# Altium PCB STM32H7.PcbDoc (continued)
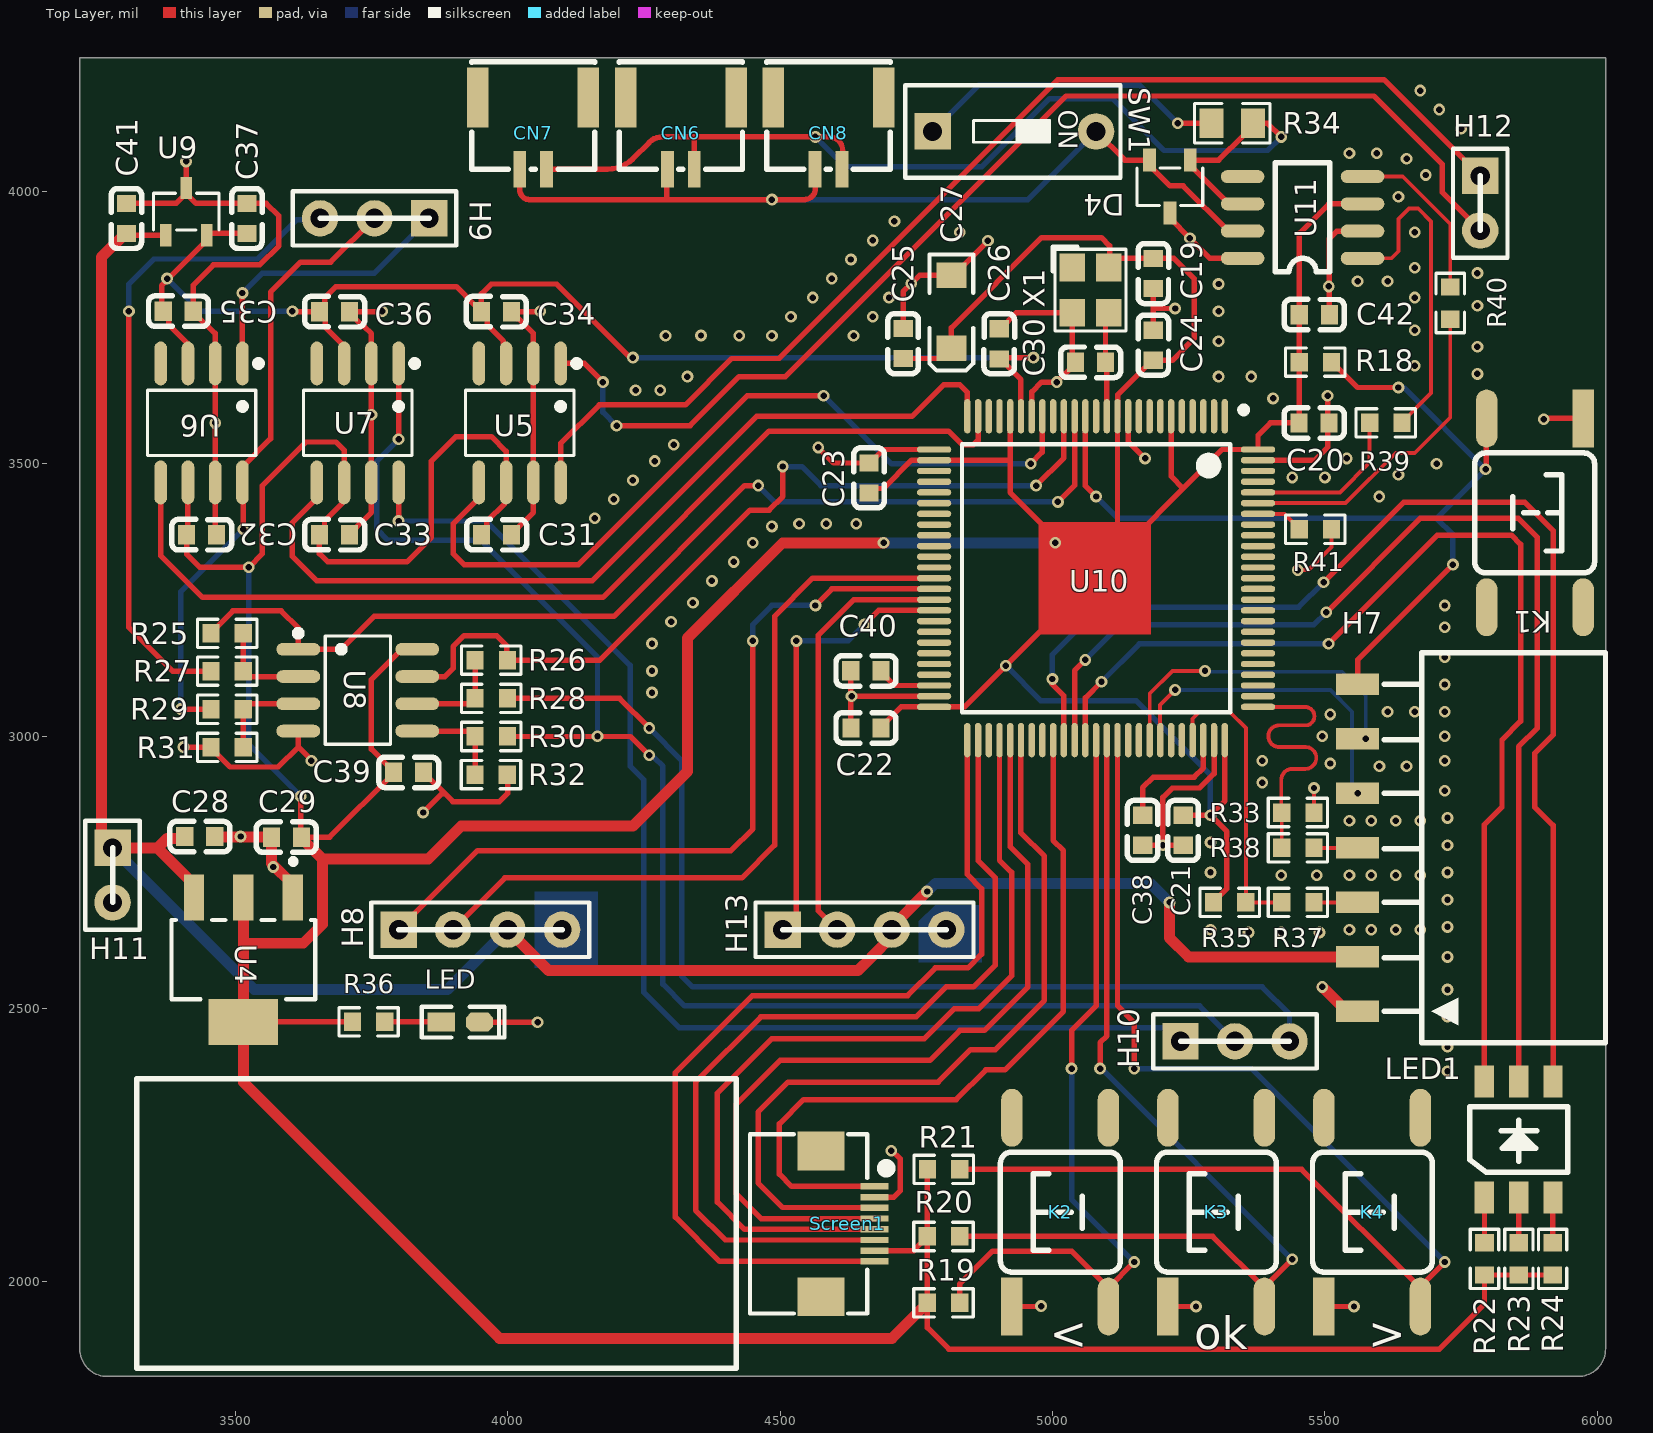
[diagram p0: Top Layer view]
## Part data (continued)
U5 U6 U7: "低噪声低温漂双向电流高端检测芯片", Common Mode Voltage=6V~80V, JLCPCB Part Class="Extended Part", LCSC Part Name=线性产品, Manufacturer=analogysemi(类比半导体), Operating Temperature=-40℃~125℃, Supply Voltage=2.7V~5.5V, Add into BOM=yes, Convert to PCB=yes, Datasheet=https://atta.szlcsc.com/upload/public/pdf/source/20230221/4ACBE0500A397B3D4468D76F97F173B7.pdf, Device=CSA240LCSOIC8, Gain=20V/V, Manufacturer Part=CSA240LCSOIC8, Name=CSA240LCSOIC8, Number of Channels=1, Supplier=LCSC, Supplier Footprint=SOIC-8, Supplier Part=C5359411, Symbol=CSA240LCSOIC8
U8: "1.5MHZ, 轨到轨高精双通道运放", JLCPCB Part Class="Extended Part", Manufacturer=Gainsil(聚洵), Operating Temperature=-40℃~+125℃, Supply Current=180uA, Supply Voltage=1.8V~5.5V, Add into BOM=yes, Convert to PCB=yes, Datasheet=https://atta.szlcsc.com/upload/public/pdf/source/20200615/C605420_EE0E567F8FF01D919583B114644E1CC3.pdf, Device=GS8552-SR, Gain Bandwidth Product(GBP)=1.8MHz, LCSC Part Name=GS8552-SR, Manufacturer Part=GS8552-SR, Name=GS8552-SR, Number of Circuits=双路, Slew Rate(SR)=0.95V/us, Supplier=LCSC, Supplier Footprint=SOIC-8, Supplier Part=C157716, Symbol=GS8552-SR
U9: "3.3V基准电压源", Input Voltage=3.35V~5.5V, JLCPCB Part Class="Extended Part", Manufacturer=TI(德州仪器), Operating Temperature=-40℃~+125℃@(Ta), Output Current=25mA, Output Voltage=3.3V, Supply Current=50uA, Temperature Coefficient=75ppm/℃, Tolerance=±0.2%, Add into BOM=yes, Convert to PCB=yes, Datasheet=https://www.ti.com/cn/lit/gpn/ref3020, Device=REF3033AIDBZR, LCSC Part Name=REF3033AIDBZR, Manufacturer Part=REF3033AIDBZR, Name=REF3033AIDBZR, Noise - 10Hz to 10kHz=105uVrms, Output Type=固定, Reference Type=串联, Supplier=LCSC, Supplier Footprint=SOT-23, Supplier Part=C36658, Symbol=REF3033AIDBZR
U10: "STM32H7", JLCPCB Part Class="Extended Part", LCSC Part Name=480MHz, Low-Voltage Detect=有, Manufacturer=ST(意法半导体), Operating Temperature Range=-40℃~+85℃, Operating Voltage Range=1.71V~3.6V, ADC (Bit)=16bit, Add into BOM=yes, Convert to PCB=yes, CPU Maximum Speed=480MHz, DAC (Bit)=12bit, Datasheet=https://atta.szlcsc.com/upload/public/pdf/source/20200508/C529058_DA70143F266D6D825C3A912656F12A87.pdf, Device=STM32H743VIT6_C114409, Direct Memory Access=有, GPIO Ports Number=82, Infrared Data Association=有, Internal Oscillator=有, LCD Module=有, Manufacturer Part=STM32H743VIT6, Name=STM32H743VIT6, Program Storage Size=2MB, Secure Digital Input and Output=有, Supplier=LCSC, Supplier Footprint=LQFP-100(14x14), Supplier Part=C114409, Symbol=STM32H743VIT6_C114409, Universal Serial Bus=有, Watchdog=有
U11: "常用CAN收发器", BOM_JLCPCB Part Class="Basic Part", BOM_Manufacturer=TI, BOM_Manufacturer Part=SN65HVD230DR, BOM_Supplier=LCSC, BOM_Supplier Part=C12084, spicePre=U, spiceSymbolName=SN65HVD230DR
X1: library part OSC-3225, BOM_JLCPCB Part Class="Extended Part", BOM_Manufacturer=TAE(雅晶鑫), BOM_Manufacturer Part=TFOM8M4RHKCNT2T, BOM_Supplier=LCSC, BOM_Supplier Part=C454610, Contributor=LCSC, spicePre=X, spiceSymbolName=TFOM8M4RHKCNT2T

## Via types
v1: diameter 21.65, hole 11.81, Top Layer to Bottom Layer, 199 vias

## Nets (pads, with @x,y where several pads share a name; then routed paths per layer and width w, separated by ;. In a path a pad name is that pad's centre, name@x,y a point inside that pad or via, vN(x,y) a via of type N, cw(c..) or ccw(c..) an arc to the next point about the centre after c; other vN are vias at no path point)
+3V3: C19.2 C20.2 C21.2 C22.2 C23.2 C24.2 C25.1 C27.1 C29.2 C31.2 C32.2 C33.2 C39.2 C42.1 R18.2 R19.2 R20.2 R21.2 R22.2 R23.2 R24.2 R35.2 R36.1 Screen1.7 U4.2 U4.4 U5.6 U6.6 U7.6 U8.8 U10.6 U10.11 U10.21 U10.27 U10.50 U10.75 U10.100 U11.3 X1.4 | length 12468
  Top Layer w7: R35.2 R35.2@5295.69,2696.13
  Top Layer w10: U6.6 3413.35,3372.55 C32.2 3410.79,3334.21 3435,3310 v1(3525,3310) 3550,3335 3550,3460 3630,3540 3685,3540 3700,3525 U7.6 3697.48,3463.33 3697.48,3429.06 3663.91,3395.48 3663.91,3379.2 C33.2 3654.71,3335.29 3670,3320 3815,3320 3860,3365 3860,3505 3905,3550 3970,3550 3997.31,3522.69 U5.6 3994.8,3463.33 3994.8,3427.48 3962.01,3394.7 3962.01,3379.98 C31.2 ; U4.4 R36.1 ; v1(3620,2890) 3620,2816.43 C29.2 3673.48,2814.72 3790.52,2931.75 C39.2 3790.52,2935.69 3750,2976.2 3750,3104.09 3805.47,3159.56 U8.8 ; C23.2 4671.56,3454.66 4689.66,3454.66 4741.54,3506.54 U10.27 4920.98,3506.54 4922.52,3505 ; Screen1.7 4745.32,2055.79 R20.2@4770.35,2080.82 ; C22.2 4685.61,3017.03 4722.36,3053.78 U10.50 4838.78,3053.78 v1(4914.39,3129.39) 4990,3205 ; C25.1 4791.51,3693.22 4810.43,3712.14 C27.1 4814.37,3749.37 4980,3915 5090,3915 5105,3900 5105,3873.53 5097.33,3865.86 X1.4 5120.25,3876.96 C19.2 5223.04,3876.96 5260,3840 5260,3730 5220,3690 C24.2 5183.03,3690 5119.72,3626.68 5119.72,3587.59 U10.11 5119.37,3375.63 5120,3375 ; R19.2@4770.35,1958.87 4770.35,1914.65 4810,1875 5710,1875 5792.96,1957.96 R22.2 R23.2 R24.2 ; R19.2 R20.2@4770.35,2080.82 ; R21.2 4770.35,2204.66 R20.2 R20.2@4770.35,2080.82 ; U10.21 4922.52,3505 ; v1@5015,3355 4922.52,3447.48 4922.52,3505 ; 5144.63,3359.63 5240,3455 ; U10.6 5218.15,3586.89 5218.15,3476.85 5240,3455 ; C21.2 v1(5290,2855) ; R35.2@5295.69,2696.13 5320,2720.44 5320,2825 v1(5290,2855) ; U10.75 5316.22,2881.22 v1(5290,2855) ; C20.2 5400,3575 5377.24,3552.24 U10.100 5311.22,3526.22 5240,3455 ; C20.2@5452.75,3575 R18.2 5452.75,3773.3 C42.1 5453.06,3923.06 5507.15,3977.15 U11.3
  Top Layer w20: U4.2 3515,2625 ; C29.2 3621.71,2812.75 3660,2774.46 ; v1@4690.76,3355 4505,3355 4330,3180 4330,2935 4230,2835 3915,2835 3854.46,2774.46 3660,2774.46 ; R19.2 4770.35,1958.87 4764.47,1952.99 4763.34,1952.99 4705.35,1895 3985,1895 3515,2365 U4.4 3515,2625 ; 3515,2625 3520,2620 3625,2620 3660,2655 3660,2774.46
  Bottom Layer w10: v1(3525,3310) 3525,2985 v1(3620,2890) ; v1(4914.39,3129.39) 4978.78,3065 5154.22,3065 5290,2929.22 v1(5290,2855)
  Bottom Layer w20: v1(4690,3355) v1(5005,3355)
+5: C28.2 C41.1 H7.2 H8.3 H11.1 H13.3 U4.3 U9.1 | length 4125.2
  Top Layer w10: C41.1@3298.49,3922.93 C41.1 ; C41.1@3303.76,3919.63 U9.1
  Top Layer w20: C41.1@3298.49,3922.93 3255,3879.44 3255,2815 H11.1 3357.24,2795 ; C28.2 3404.05,2812.63 3374.87,2812.63 3357.24,2795 ; U4.3 3424.45,2727.8 3357.24,2795 ; H8.3 4075,2570 4643.28,2570 4667.74,2594.45 4667.74,2595.04 4705,2632.3 H13.3 4705,2650 v1(4770,2715) ; v1(5215,2695) 5215,2630 5250,2595 H7.2
  Bottom Layer w20: H11.1 3535,2535 3890,2535 H8.3 ; v1(4770,2715) 4785,2730 5180,2730 v1(5215,2695)
ADC_Iin: U6.5 U10.24 | length 1850
  Top Layer w10: U6.5 3363.35,3331.65 3440,3255 4175,3255 4480,3560 4808.93,3560 4833.93,3535 4855,3535 4863.46,3543.46 U10.24
ADC_IL: U5.5 U10.18 | length 1495.1
  Top Layer w10: U5.5 3947.31,3437.17 3900,3389.86 3900,3335 3920,3315 4130,3315 4440,3625 v1(4580,3625) ; v1(4960,3500) 4981.22,3521.22 4981.22,3586.89 U10.18
  Bottom Layer w10: v1(4580,3625) 4705,3500 v1(4960,3500)
ADC_Iout: U7.5 U10.25 | length 1610.7
  Top Layer w10: U7.5 3650,3437.17 3605,3392.17 3605,3330 3650,3285 4155,3285 4457.24,3587.24 4742.24,3587.24 4800,3645 4830,3645 4843.78,3631.22 U10.25
ADC_Vin: R25.2 U8.1 U10.15 | length 1931
  Top Layer w10: R25.2 3455.69,3189.9 3495.79,3230 3584.56,3230 3615.85,3198.71 U8.1 3694.56,3159.56 3755,3220 4195,3220 4435,3460 v1(4460,3460) ; v1(5010,3430) 5040.63,3460.63 U10.15
  Bottom Layer w10: v1(4460,3460) 4490,3430 v1(5010,3430)
ADC_Vout: R26.2 U8.7 U10.16 | length 1566.1
  Top Layer w10: U8.7 3885,3109.56 3900,3124.56 3900,3164.56 3920,3184.56 3980,3184.56 3998.85,3165.71 3998.85,3140.37 R26.2 4169.56,3139.56 4445,3415 4480,3415 4505,3440 v1(4505,3495) ; v1(4970,3460) 5020.94,3510.94 U10.16
  Bottom Layer w10: v1(4505,3495) 4540,3495 4575,3460 v1(4970,3460)
AGND: C19.1 C20.1 C21.1 C22.1 C23.1 C24.1 C25.2 C26.1 C27.2 C28.1 C29.1 C30.2 C31.1 C32.1 C33.1 C34.2 C35.1 C36.1 C37.2 C38.1 C39.1 C40.2 C41.2 C42.2 D4.3 H7.1 H8.4 H11.2 H13.4 K1.1 K2.1 K3.1 K4.1 LED.2 R31.1 R32.1 R33.2 R41.1 Screen1.2 U4.1 U5.2 U5.7 U6.2 U6.7 U7.2 U7.7 U8.4 U9.3 U10.10 U10.19 U10.26 U10.49 U10.74 U10.99 U11.2 U11.8 X1.2 | length 5908.8
  Top Layer w7: v1(5450,3305) 5470,3305 5512.06,3347.06 R41.1 ; R33.2 v1(5480,2905)
  Top Layer w10: C41.2 3391.78,3978.04 3410.13,3996.4 3428.49,3978.04 C37.2 3556.96,3978.04 3580,3955 3580,3900 3545,3865 3460,3865 3423.17,3828.17 C35.1 3423.17,3778.24 3448.06,3753.35 3449.4,3753.35 3463.35,3739.41 U6.2 v1(3463.35,3575) U6.7 3463.35,3372.55 C32.1 ; v1(3405,2980) 3455.25,2980 R31.1 3455.69,2978.43 3490.61,2943.51 3578.95,2943.51 3615.85,2980.41 ; v1(3410,4055) 3410.13,4054.87 U9.3 ; U8.4 3615.85,2980.41 ; v1(3640,2955) 3640,2956.26 3615.85,2980.41 ; C33.1 3709.82,3371.97 3720.57,3382.72 3722.12,3382.72 3750,3410.59 U7.7 ; U7.7@3750,3468.84 v1(3750,3590) U7.2 3750,3739.11 3736.68,3752.43 3734.71,3752.43 3709.82,3777.32 C36.1 3769.28,3779.28 v1(3770,3780) ; v1(3845,2860) 3879.67,2894.67 3884.67,2894.67 ; C39.1 3845.63,2931.75 3856.37,2921 3858.34,2921 3884.67,2894.67 ; LED.2 4055,2475.21 v1(4055,2475) ; R32.1 4000,2928.87 4000,2895 3985,2880 3899.35,2880 3884.67,2894.67 ; C31.1 4007.14,3371.97 4017.88,3382.72 4019.44,3382.72 4047.31,3410.59 U5.7 U5.2 4047.31,3739.41 4020.36,3766.36 4018.49,3766.36 4007.75,3777.1 C34.2@4007.75,3779.07 ; C34.2 C34.2@4007.75,3779.07 ; v1(4060,3780) 4059.07,3779.07 C34.2@4007.75,3779.07 ; v1(4570,3530) 4598.52,3501.48 C23.1 4665.24,3501.48 4689.98,3526.22 U10.26 ; C40.2 v1@4629.89,3075 ; C22.1 4629.89,3015.67 v1@4629.89,3075 ; Screen1.2 4709.21,2154.21 4720.86,2165.86 4720.86,2224.14 v1@4705,2240 ; C25.2 4725.96,3815.96 v1(4740.98,3830.98) 4756,3846 C27.2 4818.31,3846 v1(4881.51,3909.21) 4882.31,3910 v1@4885,3910 ; U10.49 v1(4631.43,3073.46) v1@4629.89,3075 ; C26.1@4902.82,3748.33 C26.1 4904.17,3747.72 4933.73,3777.27 X1.2 C30.2@5036.31,3686.47 ; K2.1 4978.42,1953.42 v1(4979.21,1954.21) v1@4980,1955 ; U10.19 4962.24,3587.59 4962.24,3632.24 4980,3650 v1(5007.72,3650) 5042.22,3684.5 C30.2 ; U10.10 5139.06,3540.94 v1(5170,3510) ; C38.1 v1(5202.72,2799.95) ; C24.1 5185.21,3745.32 5185.21,3783.59 ; C19.1@5187.18,3821.85 C19.1 5185.21,3783.59 ; K3.1 v1(5263.42,1953.42) v1@5265,1955 ; D4.3 5215.53,3950.68 v1(5252.29,3913.92) 5289.05,3877.15 U11.8 ; v1(5225,3785) 5186.63,3785 5185.21,3783.59 ; C21.1@5239.94,2799.95 v1(5202.72,2799.95) ; U10.74@5296.26,2992.48 U10.74 5296.54,2931.54 5270,2905 5220,2905 5202.72,2887.72 v1(5202.72,2799.95) ; U10.99 5481.54,3506.54 5505.4,3530.4 5505.4,3572.85 C20.1 5505,3577.55 v1(5505,3625) ; K4.1 v1(5553.42,1953.42) v1@5555,1955 ; C42.2 5508.17,3913.17 5522.15,3927.15 U11.2 ; v1@5900,3580 v1(5901.61,3581.61) 5903.23,3583.23 K1.1
  Top Layer w20: C28.1 3463.15,2815.35 3565.97,2815.35 C29.1 3566.6,2766.75 3605.55,2727.8 U4.1 ; v1(5495,2540) 5495.31,2540 5540.31,2495 H7.1
  other v1: 4704.21,2239.21 5725,2385 5725,2430 5725,2485 5725,2535 5725,2595 5360,2640 5420,2640 5490,2640 5290,2645 5545,2645 5585,2645 5630,2645 5675,2645 5725,2650 5725,2700 5420,2745 5485,2745 5545,2745 5585,2745 5630,2745 5675,2745 5290,2750 5725,2750 3570,2760 5725,2800 5290,2805 3509.93,2815.96 5545,2845 5585,2845 5630,2845 5675,2845 5725,2850 5720,2900 5385,2915 5600,2945 5650,2945 5510,2950 5385,2955 5720,2955 5495,3000 5720,3000 5510,3040 5615,3045 5665,3045 5720,3045 4265,3080 5720,3095 4265,3120 5720,3145 4265,3170 5720,3200 4300,3210 5720,3240 4340,3245 4375,3285 4415,3320 4450,3355 4485,3385 4535,3390 4585,3390 4640,3390 4160,3400 4195,3435 5599.67,3439.85 4230,3470 5440,3475 5500,3475 5635,3480 5705,3500 4270,3505 5540,3510 4305,3535 5405,3620 4235,3635 4280,3635 4330,3660 5305,3660 5365,3660 5780,3665 5665,3680 5780,3715 5305,3725 4290,3735 4354.94,3735.48 4425,3735 4485,3735 4635,3735 5665,3745 4520,3770 4670,3770 5305,3780 5780,3790 4560,3805 4700,3805 5665,3805 5507.07,3825.54 5305,3830 5560,3835 5615,3835 4595,3840 5780,3850 5665,3860 4630,3875 4670,3910 4830,3925 5665,3925 4710,3945 5635,3990 5685,4030 5650,4060 5545,4070 5595,4070 5750,4115 5710,4150 5675,4185
CAN_RX: R40.1 U11.4 | length 312.4
  Top Layer w7: U11.4 5642.85,4027.15 5730,3940 R40.1
CAN_TX: R39.1 U11.1 | length 600.6
  Top Layer w7: U11.1 5622.15,3877.15 5635,3890 5635,3949.23 5654.53,3968.76 5671.24,3968.76 5695,3945 5695,3629.69 5641.44,3576.13 R39.1
CANH: CN6.1 CN7.1 CN8.1 D4.2 SW1.2 U11.7 | length 1691.3
  Top Layer w10: CN7.1 4022.39,4002.61 ccw(c4040,4002.61) 4040,3985 4292.5,3985 ; CN6.1 ccw(c4293.33,4039.83) 4292.5,4039.83 4292.5,3985 ; CN8.1 cw(c4564.26,4039.92) 4565,4039.92 4565,4005 cw(c4545,4005) 4545,3985 4292.5,3985 ; SW1.2 5132.82,4057.18 D4.2 5178.12,4047.92 5184.94,4041.11 5216.05,4010 5240,4010 5322.85,3927.15 U11.7
  Bottom Layer w10: v1(4485,3985) 4955,3985 SW1.2
CANL: CN6.2 CN7.2 CN8.2 D4.1 R34.1 U11.6 | length 1996.3
  Top Layer w10: CN7.2 4183.32,4040.66 ccw(c4183.32,4106.68) 4230,4060 4259.98,4089.98 cw(c4284.14,4065.86) 4284.14,4100 ; 4284.19,4100 4340,4100 ; CN6.2 4342.55,4097.45 ccw(c4340,4097.45) 4340,4100 ; CN8.2 ccw(c4613.48,4042.18) 4615,4042.18 4615,4075 ccw(c4590,4075) 4590,4100 4340,4100 ; U11.6 5323.7,3977.15 5252.93,4047.92 D4.1 5305.19,4057.18 5350.75,4102.74 5350.75,4107.71 R34.1 5395,4125 v1(5420,4100)
  Bottom Layer w10: v1(4565,4100) 4620,4045 4870,4045 4995,4170 5110,4170 5205,4075 5395,4075 v1(5420,4100)
CS: Screen1.8 U10.51 | length 1720.6
  Top Layer w10: Screen1.8 4388.9,2036.1 4307.72,2117.28 4307.72,2382.72 4449.1,2524.1 4734.1,2524.1 4785,2575 4845,2575 4870,2600 4870,2720 4843.78,2746.22 U10.51
Iin+: H9.2 R29.1 U6.8 | length 1138.7
  Top Layer w10: v1(3400,3050) 3400,3049.56 R29.1 ; v1(3515,3380) 3515,3465.85 U6.8 3513.35,3494.53 3565,3546.18 3565,3815 3620,3870 3675.31,3870 H9.2
  Bottom Layer w10: v1(3400,3050) 3400,3265 v1(3515,3380)
Iin-: H9.1 U6.1 | length 528.5
  Top Layer w10: U6.1 v1(3513.35,3813.5)
  Bottom Layer w10: v1(3513.35,3813.5) 3549.85,3850 3755.31,3850 H9.1
IL+: H12.1 U5.8 | length 2109.1
  Top Layer w10: U5.8 4097.31,3537.31 4168.3,3608.3 4326.21,3608.3 4411.21,3693.3 4498.3,3693.3 5010,4205 5608.46,4205 H12.1
IL-: H12.2 U5.1 | length 2150.6
  Top Layer w10: U5.1 4140.85,3684.15 v1(4175,3650) ; v1(4200,3570) 4335,3570 4425,3660 4510,3660 5025,4175 5590,4175 5715,4050 5715,3998.46 H12.2
  Bottom Layer w10: v1(4175,3650) 4175,3595 v1@4200.17,3569.83
Iout+: H10.1 U7.8 | length 2266.9
  Top Layer w10: v1(3800,3395) U7.8 ; U7.8@3800,3468.84 U7.8@3800,3497.52
  Bottom Layer w10: v1(3800,3395) 3960,3395 4225,3130 4225,2945 4250,2920 4250,2530 4315,2465 5210,2465 H10.1
Iout-: H10.2 R30.2 U7.1 | length 2757.4
  Top Layer w10: v1(3800,3545) U7.1 ; R30.2 4225.44,2999.56 v1(4260,2965)
  Bottom Layer w10: v1(3800,3545) 3760,3505 3760,3380 3780,3360 3950,3360 4165,3145 v1(4165,3000) ; 4270,2960 4285,2945 4285,2545 4325,2505 5270,2505 H10.2
Key1: K2.3 R19.1 U10.63 | length 1486
  Top Layer w10: R19.1 4829.65,1994.65 4890,2055 5035,2055 K2.3@5102.74,1987.26 ; v1(5035,2390) 5035,2460 5080,2505 U10.63 ; K2.3 K2.3@5102.74,1987.26 ; v1(5150,2035) 5102.74,1987.74 K2.3@5102.74,1987.26
  Bottom Layer w10: v1(5035,2390) 5035,2150 v1(5150,2035)
Key2: K3.3 R20.1 U10.64 | length 1814.5
  Top Layer w10: R20.1 5294.01,2081.95 K3.3@5389.07,1986.88 ; v1(5087.5,2390) 5087.5,2437.5 5100.03,2450.03 5100.03,2992.41 U10.64 ; K3.3 K3.3@5389.07,1986.88 ; v1(5440,2040) 5389.07,1989.07 K3.3@5389.07,1986.88
  Bottom Layer w10: v1@5085,2390 v1(5087.5,2390) 5090,2390 v1(5440,2040)
Key3: K4.3 R21.1 U10.65 | length 2388.3
  Top Layer w10: R21.1 5457.3,2205 K4.3@5675.41,1986.88 ; U10.65 5119.37,2505.63 5150,2475 v1(5150,2390) ; K4.3@5675.41,1933.42 K4.3 K4.3@5675.41,1986.88 ; v1(5720,2035) 5675.41,1990.41 K4.3@5675.41,1986.88
  Bottom Layer w10: v1(5150,2390) 5365,2390 v1(5720,2035)
LEDA: Screen1.1 U10.59 | length 1388.6
  Top Layer w10: Screen1.1 4521.1,2173.9 4498.64,2196.36 4498.64,2288.64 4543.18,2333.18 4823.18,2333.18 4877.72,2387.72 4912.72,2387.72 5020,2495 5020,2790 5001.26,2808.74 U10.59
LEDB-: LED1.1 U10.62 | length 2020.8
  Top Layer w10: U10.62 5060.31,3070.31 v1(5090,3100) ; v1(5506.77,3169.64) 5706.41,3369.28 5842.28,3369.28 5859.28,3352.28 5859.28,3027.72 5825,2993.44 5825,2870 5792.72,2837.72 LED1.1
  Bottom Layer w10: v1(5090,3100) 5159.64,3169.64 v1(5506.77,3169.64)
LEDG-: LED1.5 U10.60 | length 2261.3
  Top Layer w10: v1(5000,3105) 5000,3095 5020.94,3074.06 U10.60 ; v1(5497.5,3282.5) 5644.28,3429.28 5867.13,3429.28 5919.28,3377.13 5919.28,3002.87 5885,2968.59 5885,2870 5918.72,2836.28 LED1.5
  Bottom Layer w10: v1(5000,3105) 5000,3150 5086.82,3236.82 5451.82,3236.82 v1(5497.5,3282.5)
LEDR-: LED1.3 U10.61 | length 2120.2
  Top Layer w10: U10.61 5040.63,3120.63 v1(5060,3140) ; v1(5502.5,3227.5) 5675,3400 5855,3400 5890,3365 5890,3015 5855.72,2980.72 LED1.3
  Bottom Layer w10: v1(5060,3140) 5125,3205 5480,3205 v1(5502.5,3227.5)
NetC38_2: C38.2 U10.73 | length 227.8
  Top Layer w10: C38.2 5165.49,2905.49 5185,2925 5260,2925 5276.85,2941.85 U10.73
NetC40_1: C40.1 U10.48 | length 110
  Top Layer w10: C40.1 4685,3118.03 4709.88,3093.15 U10.48
NetH7_3: H7.3 R37.1 | length 80
  Top Layer w7: R37.1 H7.3
NetH7_4: H7.4 R38.1 | length 80
  Top Layer w7: R38.1 H7.4
NetLED1_2: LED1.2 R22.1 | length 83
  Top Layer w10: LED1.2 5792.96,2153.19 R22.1
NetLED1_4: LED1.4 R23.1 | length 83
  Top Layer w10: LED1.4 5855.87,2153.28 R23.1
NetLED1_6: LED1.6 R24.1 | length 83.2
  Top Layer w10: R24.1 5917.96,2152.67 LED1.6
NetLED_1: LED.1 R36.2 | length 104.2
  Top Layer w10: R36.2 3878.28,2475.83 LED.1
NetR25_1: R25.1 R27.2 U8.2 | length 174.2
  Top Layer w10: R25.1 R27.2 3525,3109.56 U8.2
NetR26_1: R26.1 R28.1 U8.6 | length 180.3
  Top Layer w10: U8.6 3930.34,3059.56 R28.1 R26.1
NetR29_2: R29.2 R31.2 U8.3 | length 175
  Top Layer w10: R31.2 R29.2 3525,3059.56 U8.3
NetR30_1: R30.1 R32.2 U8.5 | length 180.5
  Top Layer w10: U8.5 3930.34,3009.56 R30.1 3940.34,2929.91 R32.2
NetR34_2: R34.2 SW1.1 | length 584.5
  Top Layer w10: v1(5230,4125) R34.2@5300.35,4125
  Bottom Layer w10: SW1.1 4865,4195 5160,4195 v1(5230,4125)
NetR39_2: R39.2 U10.96 | length 300.4
  Top Layer w7: U10.96 5527.48,3447.48 5582.13,3502.13 R39.2
NetR40_2: R40.2 U10.95 | length 598.2
  Top Layer w7: U10.95 5537.8,3427.8 5630,3520 5665,3520 5730,3585 R40.2
NetR41_2: R41.2 U10.94 | length 87.9
  Top Layer w7: U10.94 5425.68,3408.11 5452.75,3381.04 R41.2
NRST: H7.7 K1.3 R18.1 U10.14 | length 1808
  Top Layer w10: U10.14 5060.31,3459.69 v1(5080,3440) ; R18.1 5512.06,3687.94 5560,3640 v1(5635,3640) ; H7.7 5560,3140 v1(5735,3315) ; v1(5795,3490) 5795.92,3490.92 5795.92,3582.31 K1.3 K1.3@5796.83,3616.69
  Bottom Layer w10: v1(5080,3440) 5120,3400 5705,3400 ; v1(5635,3640) 5645,3640 v1(5795,3490) 5705,3400 ; v1(5735,3315) 5735,3370 5705,3400
OSC_IN: C30.1 U10.12 X1.3 | length 193.5
  Top Layer w10: U10.12 5099.68,3674.51 5097.33,3676.86 5097.33,3771.36 X1.3
PWMAH: H8.1 U10.39 | length 1461.4
  Top Layer w10: H8.1 3945,2790 4410,2790 4450,2830 v1(4450,3175) ; v1(4565,3240) 4595.31,3270.31 U10.39
  Bottom Layer w10: v1(4450,3175) 4450,3205 4485,3240 v1(4565,3240)
PWMAL: H8.2 U10.38 | length 1396
  Top Layer w10: H8.2 3995,2740 4430,2740 4490,2800 4490,3220 4560,3290 U10.38
PWMBH: H13.1 U10.41 | length 822.2
  Top Layer w10: H13.1 4530,2670 v1(4530,3175) ; v1(4655,3205) 4680.94,3230.94 U10.41
  Bottom Layer w10: v1@4524.04,3175 v1(4530,3175) 4625,3175 v1(4655,3205)
PWMBL: H13.2 U10.40 | length 794.4
  Top Layer w10: H13.2 4570,2680 4570,3185 4635.63,3250.63 U10.40
RESET: Screen1.3 U10.56 | length 1467.5
  Top Layer w10: Screen1.3 4672.8,2135.04 4504.96,2135.04 4460,2180 4460,2310 4515,2365 4790,2365 4850,2425 4895,2425 4985,2515 4985,2780 4942.2,2822.8 U10.56
RS: Screen1.4 U10.55 | length 1527.3
  Top Layer w10: Screen1.4 4465.16,2114.84 4420,2160 4420,2325 4500,2405 4775,2405 4830,2460 4875,2460 4955,2540 4955,2765 4922.52,2797.48 U10.55
SCL: Screen1.6 U10.52 | length 1650.8
  Top Layer w10: Screen1.6 4399.53,2075.47 4345,2130 4345,2365 4465,2485 4750,2485 4805,2540 4855,2540 4895,2580 4895,2740 4863.46,2771.54 U10.52
SDA: Screen1.5 U10.54 | length 1580
  Top Layer w10: Screen1.5 4434.84,2095.16 4385,2145 4385,2345 4485,2445 4765,2445 4820,2500 4865,2500 4925,2560 4925,2750 4902.83,2772.17 U10.54
SWCLK: R33.1 R38.2 U10.76 | length 542.3
  Top Layer w7: U10.76 5463.46,3053.78 cw(c5463.46,3036.52) 5480.72,3036.52 cw(c5464.2,3036.52) 5464.2,3020 5415.81,3020 ccw(c5415.81,3000.41) 5396.22,3000.41 ccw(c5416.63,3000.41) 5416.63,2980 5464.63,2980 cw(c5464.63,2960.39) 5484.24,2960.39 cw(c5463.86,2960.39) 5463.86,2940 5440,2940 ccw(c5440,2920) 5420,2920 5420,2860 R33.1 R38.2
SWDIO: R35.1 R37.2 U10.72 | length 542.1
  Top Layer w7: U10.72@5256.26,2993.67 ccw(c5257.17,2993.67) U10.72 5257.17,3032.17 5270,3045 5325,3045 5355,3015 R35.1 R37.2
USART1_RX: H7.5 U10.69 | length 599.5
  Top Layer w7: U10.69@5197.6,3020.14 5197.6,3057.6 v1(5225,3085) ; U10.69@5197.76,2993.11 U10.69@5197.76,3019.98
  Top Layer w10: U10.69@5197.6,3020.14 U10.69@5197.76,3019.98 ; U10.69@5197.76,2993.11 U10.69
  Bottom Layer w7: v1(5225,3085) 5510,3085 5550,3045 5550,2906.43 5560,2896.43 v1(5560,2895)
USART1_TX: H7.6 U10.68 | length 598.6
  Top Layer w7: U10.68 5178.43,3078.43 5220,3120 v1(5280,3120)
  Bottom Layer w7: v1@5280,3118.43 5531.57,3118.43 5575,3075 v1@5575,2993.89
  other v1: 5575,2995
Vin-: H9.3 R27.1 | length 1214.7
  Top Layer w10: v1(3305,3780) 3305,3200 3385.44,3119.56 R27.1
  Bottom Layer w10: v1(3305,3780) 3305,3830 3350.91,3875.91 3540.91,3875.91 3613.19,3948.19 3653.5,3948.19 H9.3
Vout-: H10.3 R28.2 | length 1957.1
  Top Layer w10: R28.2 4205.44,3069.56 v1(4260,3015)
  Bottom Layer w10: v1(4260,3015) 4320,2955 4320,2559.5 4339.5,2540 5385,2540 5435,2490 H10.3
Vref+: C26.2 C34.1 C35.2 C36.2 C37.1 U5.3 U6.3 U7.3 U9.2 U10.20 | length 2527.5
  Top Layer w10: U6.3 3410.83,3686.67 3410.83,3722.34 3377.85,3755.32 3377.85,3770.43 C35.2 3365,3783.27 3365,3827.14 3447.53,3909.68 U9.2 3450.84,3922.93 C37.1 ; v1(3605,3780) 3605.72,3779.28 C36.2 ; U7.3@3700,3687.14 3700,3715.82 3665.46,3750.36 3665.46,3768.54 C36.2 ; C34.1 C34.1@3952.03,3781.04 ; C34.1@3952.64,3779.07 3962.78,3768.93 3962.78,3754.54 3992.11,3725.21 3992.11,3721.6 3997.31,3716.39 U5.3 ; v1@4227.5,3692.5 4090,3830 3970,3830 3952.03,3812.03 C34.1@3952.03,3781.04 ; U10.20 4942.2,3654.59 4904.17,3692.61 C26.2 4904.59,3695 v1(4965,3695) ; C36.2 3664.34,3788.91 3664.34,3804.34 3685,3825 3906.1,3825 3939.31,3791.79 3941.28,3791.79 C34.1@3952.03,3781.04
  Bottom Layer w10: v1(3375,3840) 3435,3780 v1(3605,3780) ; v1@4235,3695 v1(4965,3695)
  other v1: 4230,3695
pads on no net: CN6.3 CN6.4 CN7.3 CN7.4 CN8.3 CN8.4 K1.2 K1.4 K2.2 K2.4 K3.2 K3.4 K4.2 K4.4 Screen1.0 U5.4 U6.4 U7.4 U10.1 U10.2 U10.3 U10.4 U10.5 U10.7 U10.8 U10.9 U10.13 U10.17 U10.22 U10.23 U10.28 U10.29 U10.30 U10.31 U10.32 U10.33 U10.34 U10.35 U10.36 U10.37 U10.42 U10.43 U10.44 U10.45 U10.46 U10.47 U10.53 U10.57 U10.58 U10.66 U10.67 U10.70 U10.71 U10.77 U10.78 U10.79 U10.80 U10.81 U10.82 U10.83 U10.84 U10.85 U10.86 U10.87 U10.88 U10.89 U10.90 U10.91 U10.92 U10.93 U10.97 U10.98 U11.5 X1.1

## Polygon pours and split planes (outlines as drawn)
AGND on Bottom Layer "AGND_L02_P000" (solid, remove dead copper, pour order 0): 3245,4215 3245,1950 ccw(c3345,1950) 3345,1850 5885,1850 ccw(c5885,1950) 5985,1950 5985,4215

## Other copper
Top Layer:
  region net +3V3: 4975,3187.5 5180,3187.5 5180,3392.5 4975,3392.5
Bottom Layer:
  pour cut-out: 5230,3075 5230,3005 5205,3005 5205,3076.28 5207.19,3076.28
  pour cut-out: 5440,3175 5440,3125 5470,3125 5470,3175
  region net AGND: 4865,2690 4785,2690 4755,2660 4755,2585 4870,2585
  region net AGND: 4050,2715 4050,2575 4165,2575 4165,2715
  pour cut-out: 5739.88,4073.58 5830.43,4073.58 5830.43,3885 5740,3885
  pour cut-out: 3610,3995 3610,3905 3901.07,3905 3901.07,3995.76
  pour cut-out: 4459.72,2690 4850,2690 4850,2600 4459.72,2600 4459.72,2599.72
  pour cut-out: 3754.72,2690.28 4145,2690.28 4145,2600 3754.72,2600 3754.72,2599.72
  pour cut-out: 5190,2485 5480,2485 5480,2395 5190,2395

## Silkscreen, mask and mechanical layers (free items; w line width, h text height)
Top Overlay:
  lines w10: 3275,2695 3275,2795 ; 3655.8,3950.49 3855.8,3950.49 ; 3800,2645 4100,2645 ; 4505,2645 4805,2645 ; 5235,2440 5435,2440 ; 5785.15,3928.3 5785.15,4028.3 ; 3319.61,1840 4420,1840 4420,2371.5 3319.61,2371.5 3319.61,1840
  text "<" at 4995,1875 h60
  text "ok" at 5260,1875 h60
  text ">" at 5580,1875 h60
Bottom Overlay:
  lines w10: 3215,2380 6015,2380
  text "Vi-" at 3680.8,4195.49 h60 r90
  text "Ii+" at 3780.8,4195.49 h60 r90
  text "Ii-" at 3880.8,4195.49 h60 r90
  text "H" at 3965,4155 h60
  text "L" at 4170,4155 h60
  text "H" at 4235,4155 h60
  text "L" at 4435,4155 h60
  text "H" at 4510,4155 h60
  text "L" at 4710,4155 h60
  text "IL+" at 5995,4000 h60
  text "IL-" at 5995,3900 h60
  text "RESET" at 5930,3540 h60 r90
  text "NRST" at 5985,3060 h60
  text "PWMAH" at 3830,3000 h60 r90
  text "PWMAL" at 3930,3000 h60 r90
  text "PWMBH" at 4535,3000 h60 r90
  text "PWMBL" at 4635,3000 h60 r90
  text "TX" at 5985,2960 h60
  text "GND" at 4125,2890 h60 r90
  text "GND" at 4830,2890 h60 r90
  text "RX" at 5980,2860 h60
  text "5V" at 4025,2845 h60 r90
  text "5V" at 4730,2845 h60 r90
  text "5V" at 3475,2770 h60
  text "CLK" at 5980,2755 h60
  text "Io+" at 5260,2685 h60 r90
  text "Io-" at 5360,2685 h60 r90
  text "Vo-" at 5460,2685 h60 r90
  text "GND" at 3520,2670 h60
  text "DIO" at 5980,2655 h60
  text "5V" at 5980,2555 h60
  text "GND" at 5980,2460 h60
Mechanical 1:
  the board outline again, w10

## Text inside footprints (layer, text, board x,y; h text height)
SW1: Top Overlay "ON" at 5000,4150 h60 r270